# KiCad board Joystick 2-axis with pushbutton breakout_panel.kicad_pcb
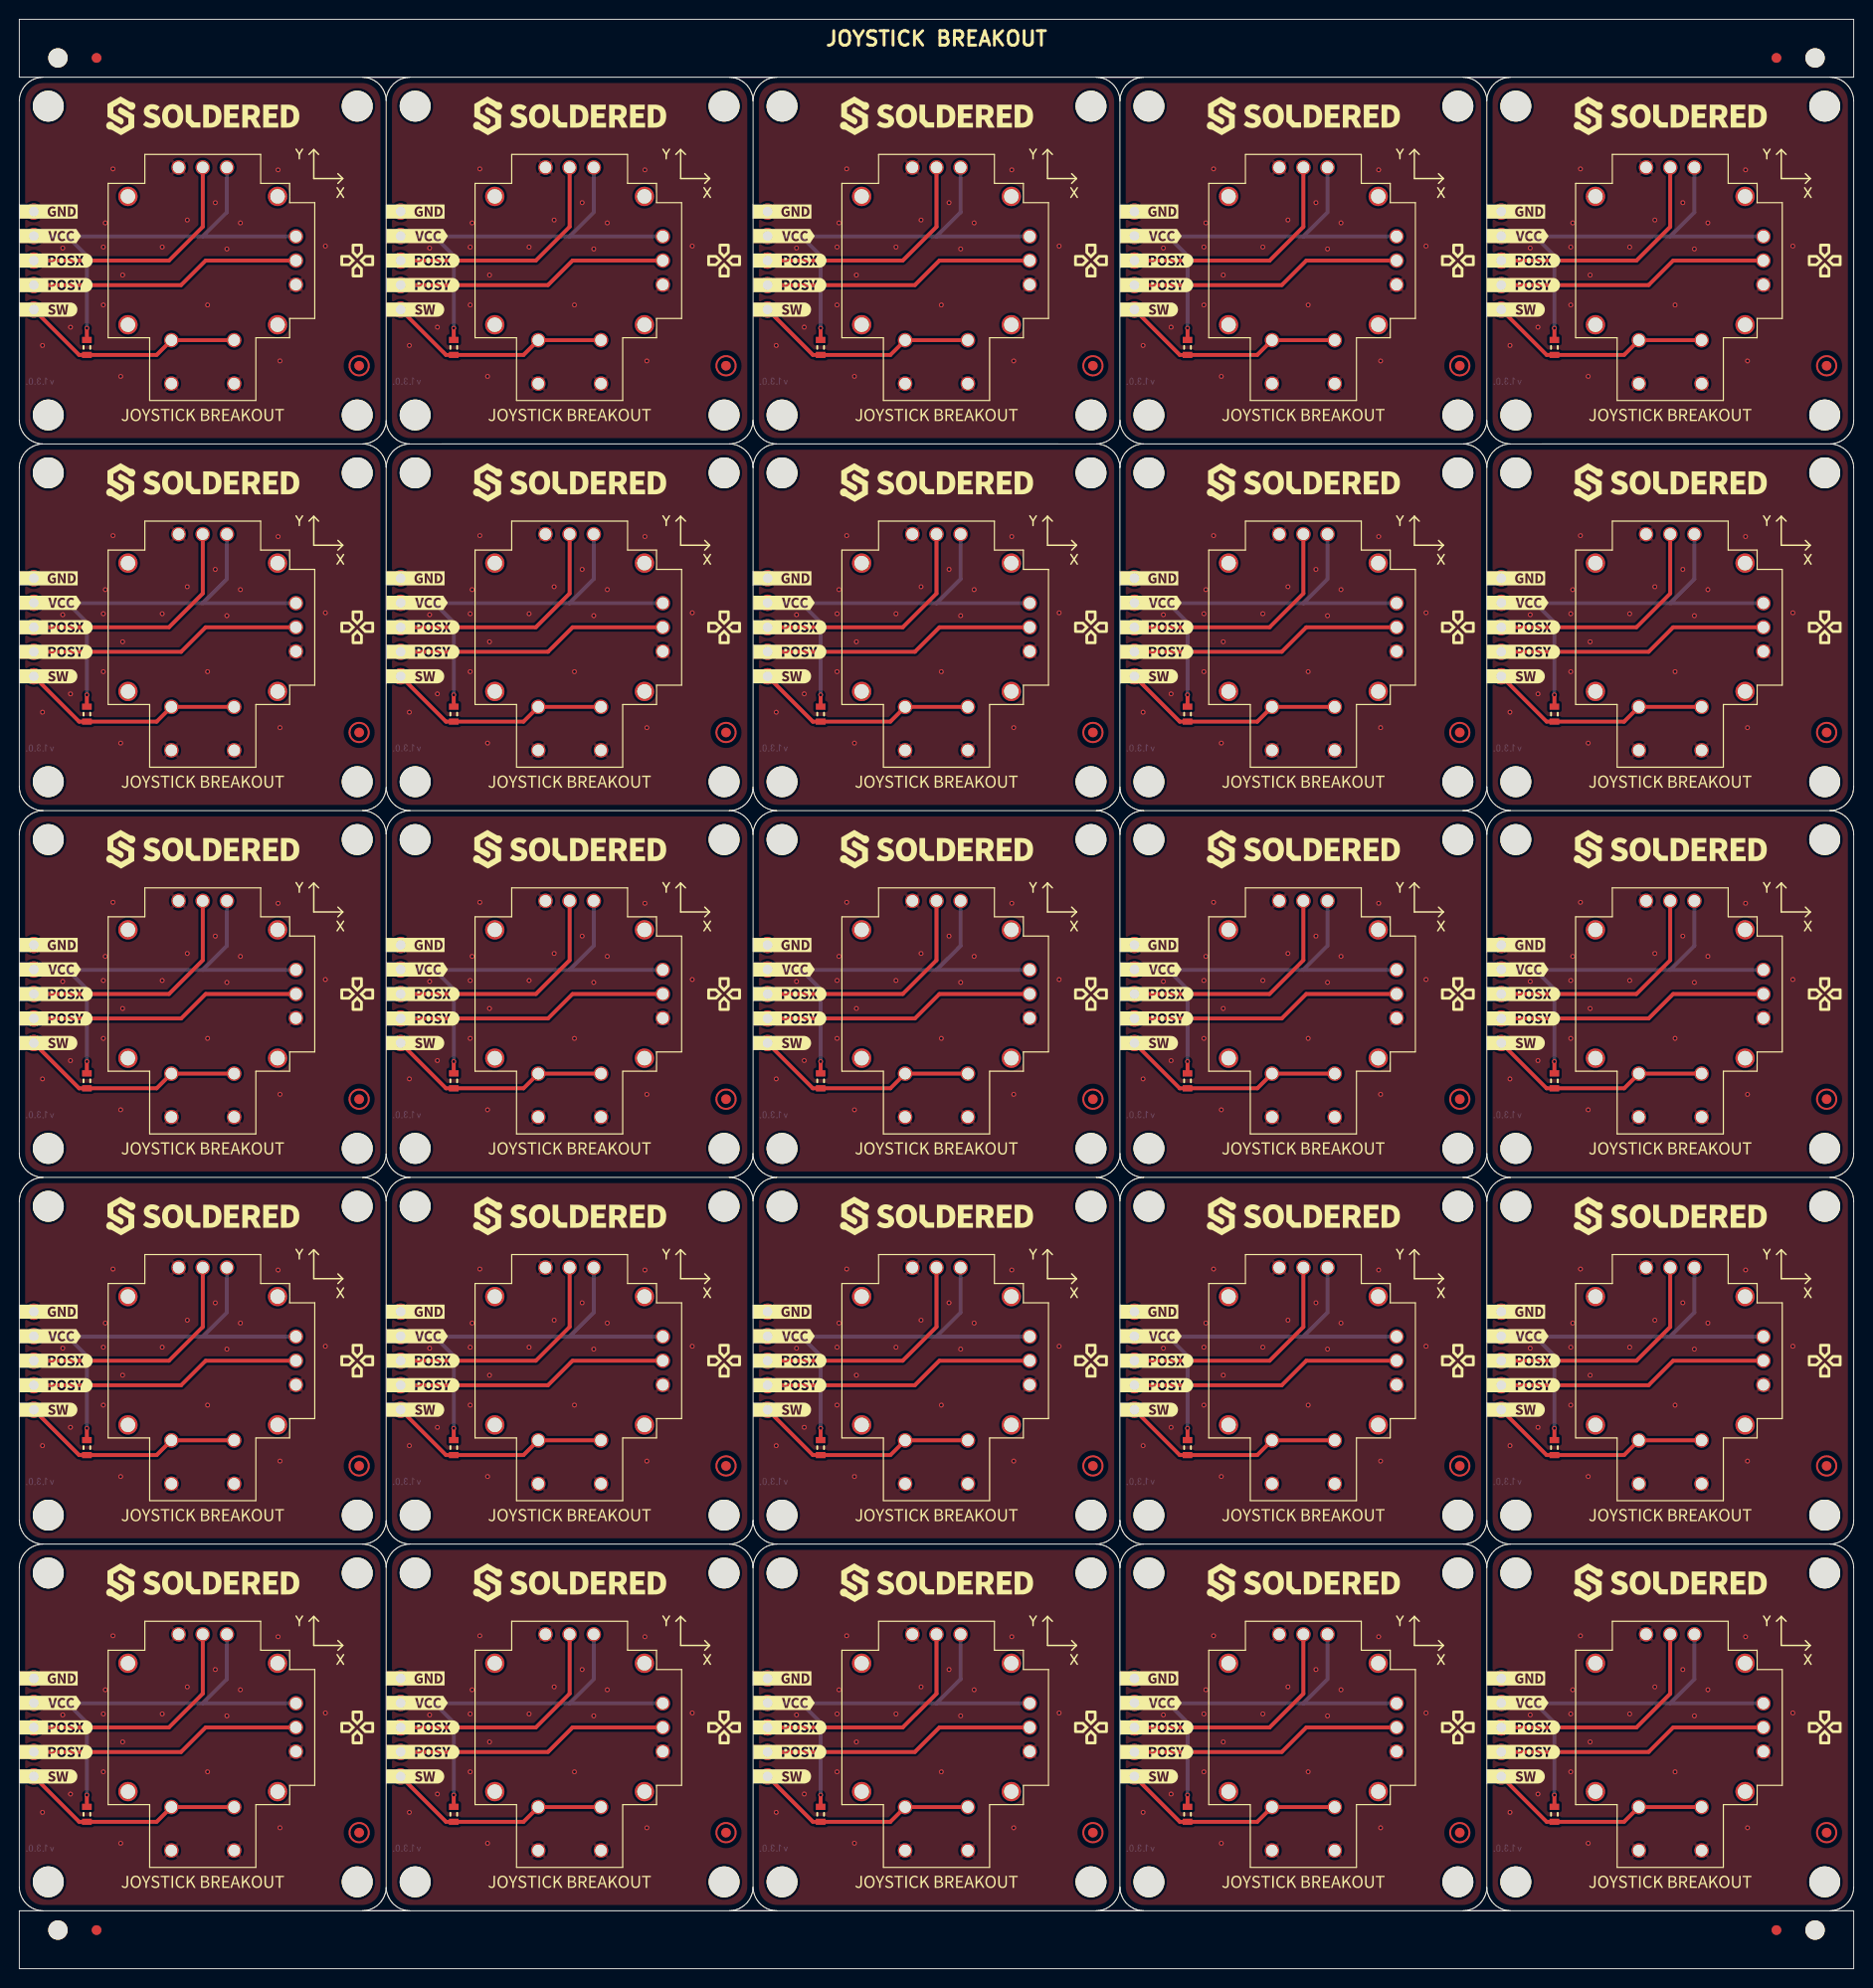
[diagram p0: board, top side]
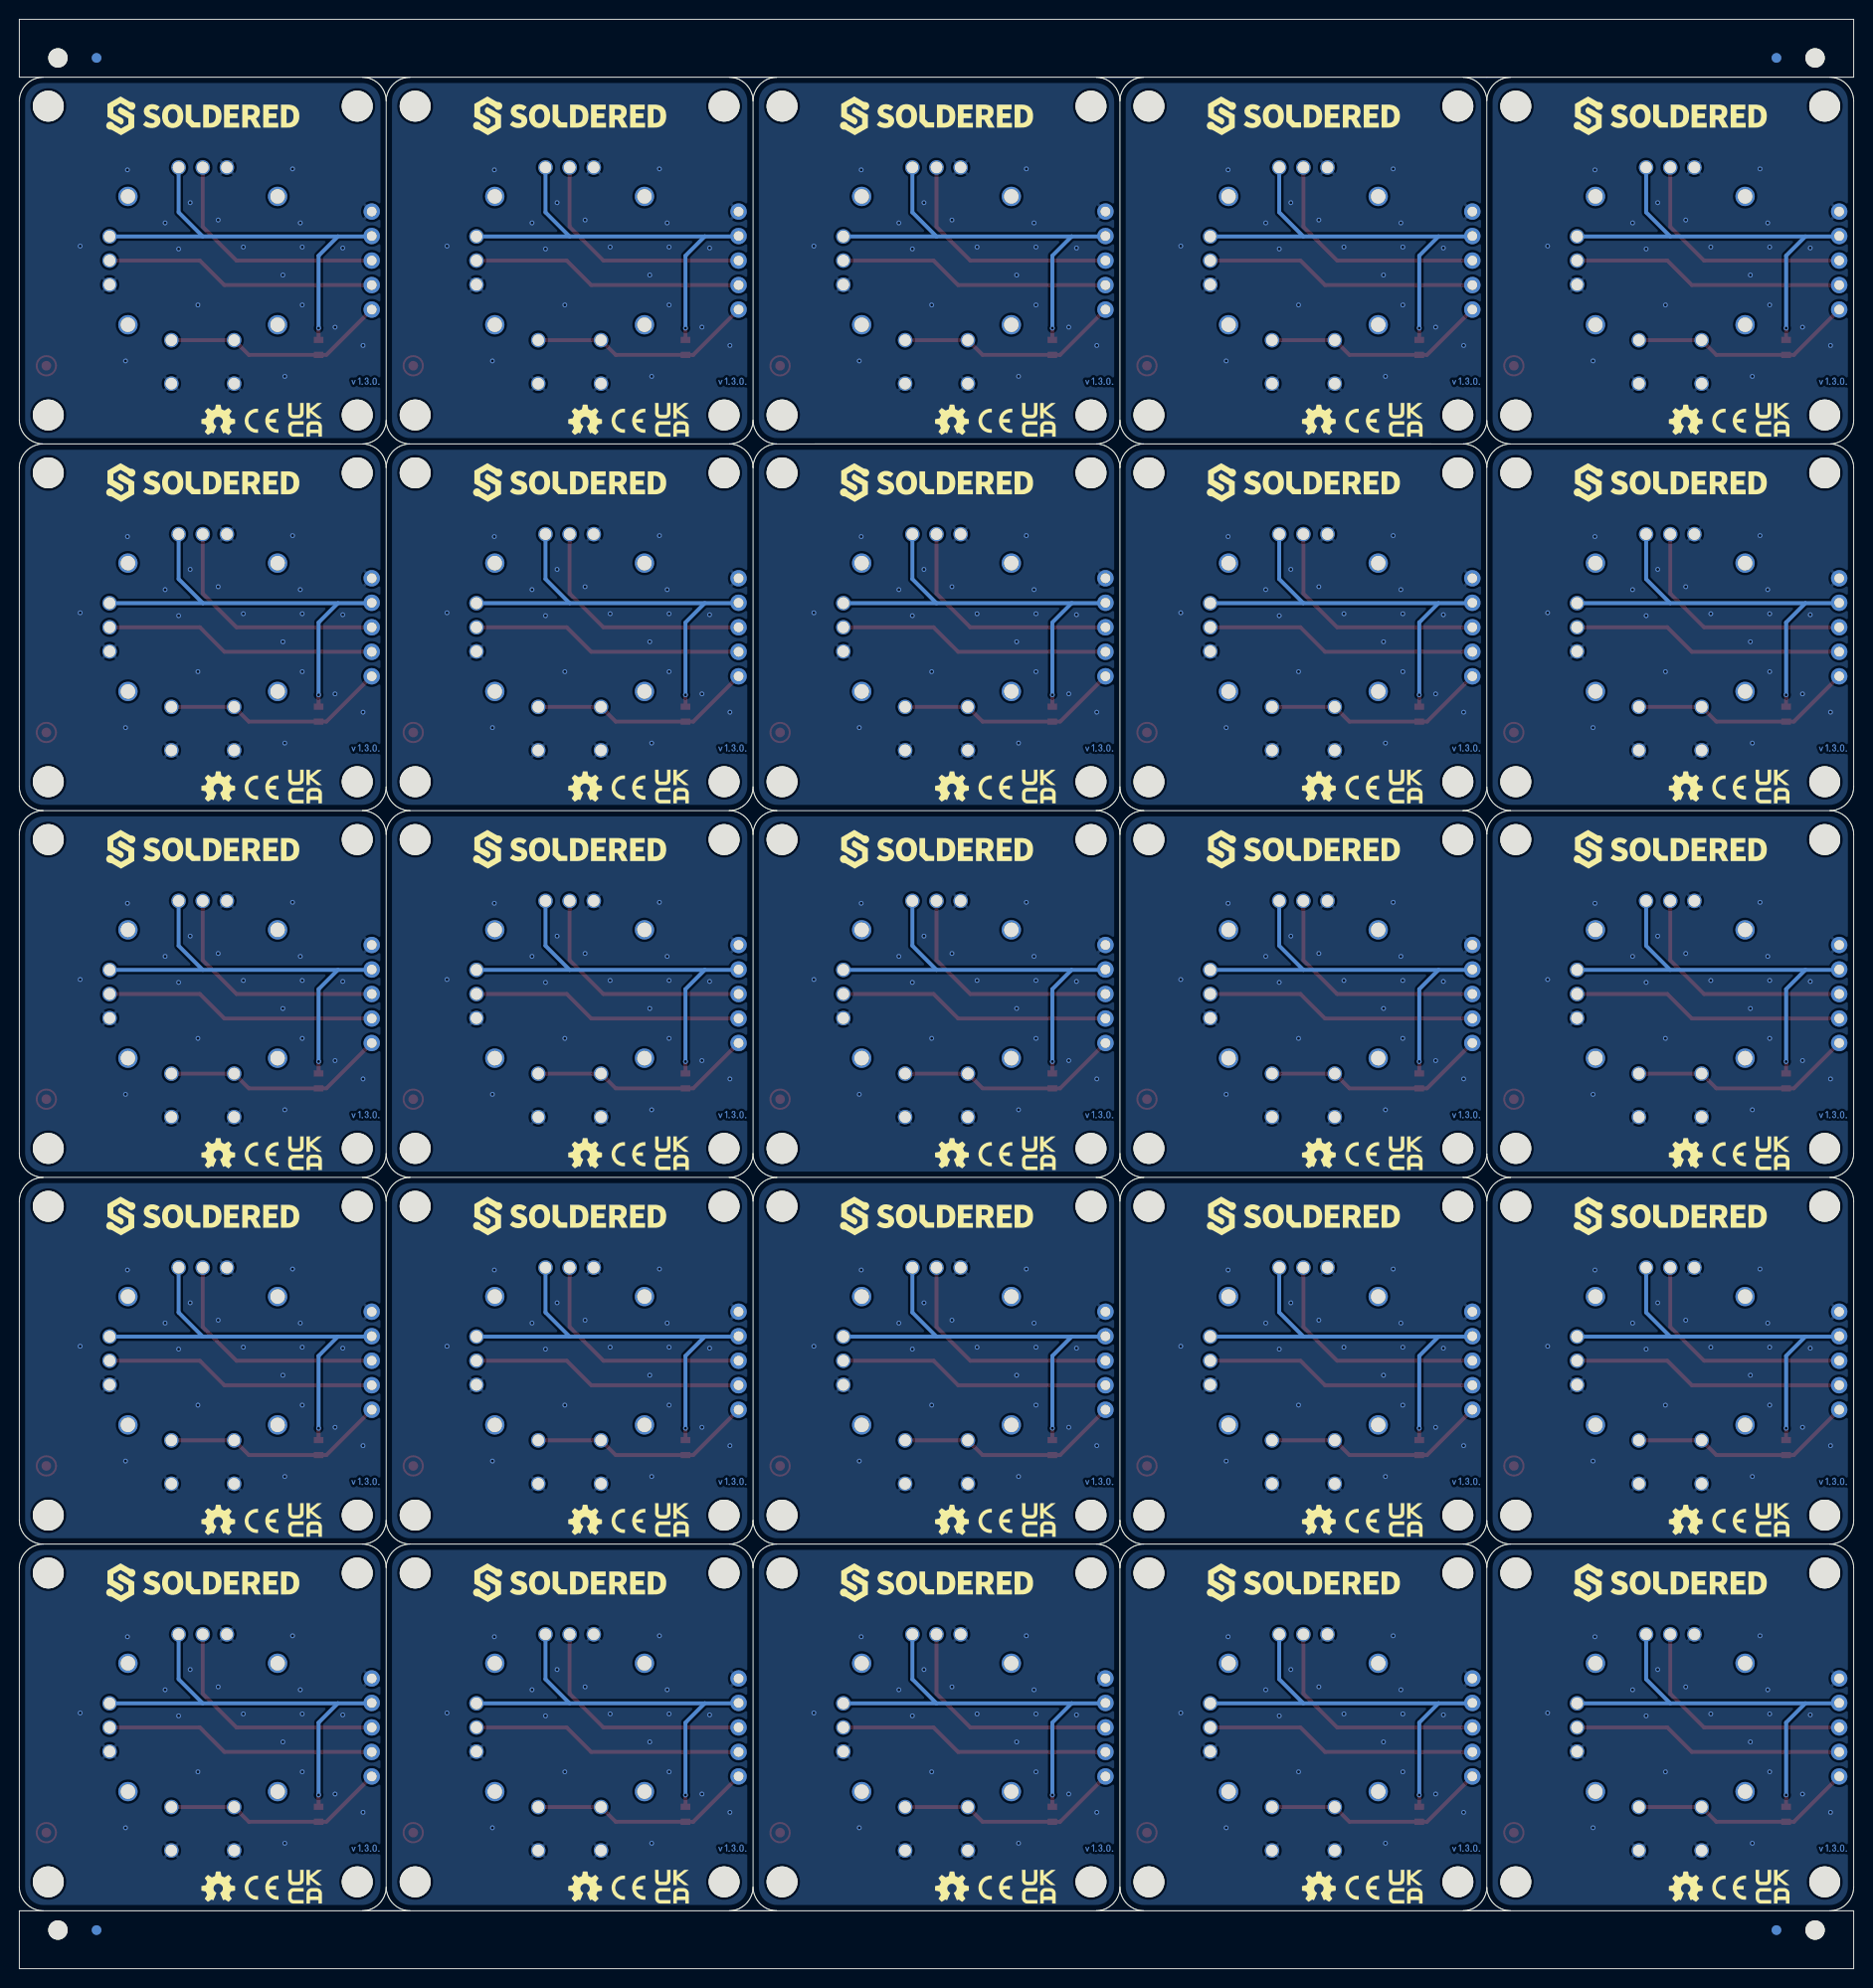
[diagram p1: board, bottom side, seen from below]

Outline 190 x 202 mm; copper layers: Top, Bottom. Coordinates in mm from the lower left corner of the outline.
Stack: Top 0.035mm / dielectric 1.51mm FR4 er 4.5 / Bottom 0.035mm

## Placement (name value [footprint] x y rotation side)
FD1  FIDUCIAL  [FIDUCIAL_23]  35.2 166.1 0 top
FD1#2  FIDUCIAL  [FIDUCIAL_23]  35.2 14.1 0 top
FD1#3  FIDUCIAL  [FIDUCIAL_23]  149.2 52.1 0 top
FD1#4  FIDUCIAL  [FIDUCIAL_23]  73.2 14.1 0 top
FD1#5  FIDUCIAL  [FIDUCIAL_23]  111.2 90.1 0 top
FD1#6  FIDUCIAL  [FIDUCIAL_23]  111.2 166.1 0 top
FD1#7  FIDUCIAL  [FIDUCIAL_23]  187.2 128.1 0 top
FD1#8  FIDUCIAL  [FIDUCIAL_23]  35.2 128.1 0 top
FD1#9  FIDUCIAL  [FIDUCIAL_23]  111.2 128.1 0 top
FD1#10  FIDUCIAL  [FIDUCIAL_23]  73.2 128.1 0 top
FD1#11  FIDUCIAL  [FIDUCIAL_23]  149.2 90.1 0 top
FD1#12  FIDUCIAL  [FIDUCIAL_23]  187.2 52.1 0 top
FD1#13  FIDUCIAL  [FIDUCIAL_23]  149.2 128.1 0 top
FD1#14  FIDUCIAL  [FIDUCIAL_23]  111.2 52.1 0 top
FD1#15  FIDUCIAL  [FIDUCIAL_23]  187.2 166.1 0 top
FD1#16  FIDUCIAL  [FIDUCIAL_23]  149.2 14.1 0 top
FD1#17  FIDUCIAL  [FIDUCIAL_23]  187.2 14.1 0 top
FD1#18  FIDUCIAL  [FIDUCIAL_23]  73.2 166.1 0 top
FD1#19  FIDUCIAL  [FIDUCIAL_23]  73.2 90.1 0 top
FD1#20  FIDUCIAL  [FIDUCIAL_23]  73.2 52.1 0 top
FD1#21  FIDUCIAL  [FIDUCIAL_23]  111.2 14.1 0 top
FD1#22  FIDUCIAL  [FIDUCIAL_23]  35.2 90.1 0 top
FD1#23  FIDUCIAL  [FIDUCIAL_23]  35.2 52.1 0 top
FD1#24  FIDUCIAL  [FIDUCIAL_23]  149.2 166.1 0 top
FD1#25  FIDUCIAL  [FIDUCIAL_23]  187.2 90.1 0 top
G***  LOGO  [Symbol-Front-Joystick]  149 177 0 top
G***#2  LOGO  [Logo-Back-OSH-3.5mm]  169.4 8.5 0 top
G***#3  LOGO  [Symbol-Front-Joystick]  35 63 0 top
G***#4  LOGO  [Logo-Back-OSH-3.5mm]  93.4 84.5 0 top
G***#5  LOGO  [Logo-Back-OSH-3.5mm]  169.4 122.5 0 top
G***#6  LOGO  [Symbol-Front-Joystick]  111 101 0 top
G***#7  LOGO  [Symbol-Front-Joystick]  149 63 0 top
G***#8  LOGO  [Logo-Back-OSH-3.5mm]  93.4 8.5 0 top
G***#9  LOGO  [Symbol-Front-Joystick]  35 139 0 top
G***#10  LOGO  [Logo-Back-OSH-3.5mm]  55.4 8.5 0 top
G***#11  LOGO  [Symbol-Front-Joystick]  187 63 0 top
G***#12  LOGO  [Symbol-Front-Joystick]  111 63 0 top
G***#13  LOGO  [Symbol-Front-Joystick]  149 101 0 top
G***#14  LOGO  [Symbol-Front-Joystick]  73 25 0 top
G***#15  LOGO  [Symbol-Front-Joystick]  35 177 0 top
G***#16  LOGO  [Logo-Back-OSH-3.5mm]  17.4 46.5 0 top
G***#17  LOGO  [Logo-Back-OSH-3.5mm]  131.4 84.5 0 top
G***#18  LOGO  [Symbol-Front-Joystick]  187 101 0 top
G***#19  LOGO  [Logo-Back-OSH-3.5mm]  93.4 160.5 0 top
G***#20  LOGO  [Symbol-Front-Joystick]  73 177 0 top
G***#21  LOGO  [Symbol-Front-Joystick]  149 25 0 top
G***#22  LOGO  [Symbol-Front-Joystick]  149 139 0 top
G***#23  LOGO  [Logo-Back-OSH-3.5mm]  55.4 122.5 0 top
G***#24  LOGO  [Symbol-Front-Joystick]  187 139 0 top
G***#25  LOGO  [Logo-Back-OSH-3.5mm]  55.4 46.5 0 top
G***#26  LOGO  [Logo-Back-OSH-3.5mm]  17.4 84.5 0 top
G***#27  LOGO  [Logo-Back-OSH-3.5mm]  55.4 160.5 0 top
G***#28  LOGO  [Symbol-Front-Joystick]  73 139 0 top
G***#29  LOGO  [Logo-Back-OSH-3.5mm]  93.4 122.5 0 top
G***#30  LOGO  [Logo-Back-OSH-3.5mm]  169.4 160.5 0 top
G***#31  LOGO  [Logo-Back-OSH-3.5mm]  17.4 122.5 0 top
G***#32  LOGO  [Logo-Back-OSH-3.5mm]  17.4 8.5 0 top
G***#33  LOGO  [Symbol-Front-Joystick]  73 101 0 top
G***#34  LOGO  [Logo-Back-OSH-3.5mm]  131.4 160.5 0 top
G***#35  LOGO  [Symbol-Front-Joystick]  111 139 0 top
G***#36  LOGO  [Logo-Back-OSH-3.5mm]  131.4 8.5 0 top
G***#37  LOGO  [Logo-Back-OSH-3.5mm]  17.4 160.5 0 top
G***#38  LOGO  [Logo-Back-OSH-3.5mm]  131.4 46.5 0 top
G***#39  LOGO  [Symbol-Front-Joystick]  187 177 0 top
G***#40  LOGO  [Logo-Back-OSH-3.5mm]  169.4 46.5 0 top
G***#41  LOGO  [Symbol-Front-Joystick]  35 25 0 top
G***#42  LOGO  [Logo-Back-OSH-3.5mm]  169.4 84.5 0 top
G***#43  LOGO  [Logo-Back-OSH-3.5mm]  93.4 46.5 0 top
G***#44  LOGO  [Logo-Back-OSH-3.5mm]  55.4 84.5 0 top
G***#45  LOGO  [Symbol-Front-Joystick]  73 63 0 top
G***#46  LOGO  [Symbol-Front-Joystick]  35 101 0 top
G***#47  LOGO  [Logo-Back-OSH-3.5mm]  131.4 122.5 0 top
G***#48  LOGO  [Symbol-Front-Joystick]  111 25 0 top
G***#49  LOGO  [Symbol-Front-Joystick]  187 25 0 top
G***#50  LOGO  [Symbol-Front-Joystick]  111 177 0 top
H1  -  [HOLE_3.2mm]  117 117 0 top
H1#2  -  [HOLE_3.2mm]  117 155 0 top
H1#3  -  [HOLE_3.2mm]  41 193 0 top
H1#4  -  [HOLE_3.2mm]  155 41 0 top
H1#5  -  [HOLE_3.2mm]  3 41 0 top
H1#6  -  [HOLE_3.2mm]  155 79 0 top
H1#7  -  [HOLE_3.2mm]  117 41 0 top
H1#8  -  [HOLE_3.2mm]  155 193 0 top
H1#9  -  [HOLE_3.2mm]  3 155 0 top
H1#10  -  [HOLE_3.2mm]  155 155 0 top
H1#11  -  [HOLE_3.2mm]  79 117 0 top
H1#12  -  [HOLE_3.2mm]  155 117 0 top
H1#13  -  [HOLE_3.2mm]  79 155 0 top
H1#14  -  [HOLE_3.2mm]  3 193 0 top
H1#15  -  [HOLE_3.2mm]  3 79 0 top
H1#16  -  [HOLE_3.2mm]  79 41 0 top
H1#17  -  [HOLE_3.2mm]  117 193 0 top
H1#18  -  [HOLE_3.2mm]  79 193 0 top
H1#19  -  [HOLE_3.2mm]  41 117 0 top
H1#20  -  [HOLE_3.2mm]  41 79 0 top
H1#21  -  [HOLE_3.2mm]  117 79 0 top
H1#22  -  [HOLE_3.2mm]  79 79 0 top
H1#23  -  [HOLE_3.2mm]  41 155 0 top
H1#24  -  [HOLE_3.2mm]  3 117 0 top
H1#25  -  [HOLE_3.2mm]  41 41 0 top
H2  -  [HOLE_3.2mm]  35 155 0 top
H2#2  -  [HOLE_3.2mm]  149 155 0 top
H2#3  -  [HOLE_3.2mm]  35 117 0 top
H2#4  -  [HOLE_3.2mm]  35 193 0 top
H2#5  -  [HOLE_3.2mm]  111 193 0 top
H2#6  -  [HOLE_3.2mm]  149 41 0 top
H2#7  -  [HOLE_3.2mm]  111 41 0 top
H2#8  -  [HOLE_3.2mm]  111 117 0 top
H2#9  -  [HOLE_3.2mm]  35 41 0 top
H2#10  -  [HOLE_3.2mm]  111 155 0 top
H2#11  -  [HOLE_3.2mm]  149 117 0 top
H2#12  -  [HOLE_3.2mm]  35 79 0 top
H2#13  -  [HOLE_3.2mm]  187 117 0 top
H2#14  -  [HOLE_3.2mm]  149 79 0 top
H2#15  -  [HOLE_3.2mm]  73 79 0 top
H2#16  -  [HOLE_3.2mm]  111 79 0 top
H2#17  -  [HOLE_3.2mm]  187 155 0 top
H2#18  -  [HOLE_3.2mm]  73 41 0 top
H2#19  -  [HOLE_3.2mm]  73 155 0 top
H2#20  -  [HOLE_3.2mm]  187 79 0 top
H2#21  -  [HOLE_3.2mm]  73 117 0 top
H2#22  -  [HOLE_3.2mm]  187 41 0 top
H2#23  -  [HOLE_3.2mm]  187 193 0 top
H2#24  -  [HOLE_3.2mm]  149 193 0 top
H2#25  -  [HOLE_3.2mm]  73 193 0 top
H3  -  [HOLE_3.2mm]  111 47 0 top
H3#2  -  [HOLE_3.2mm]  187 161 0 top
H3#3  -  [HOLE_3.2mm]  35 85 0 top
H3#4  -  [HOLE_3.2mm]  149 85 0 top
H3#5  -  [HOLE_3.2mm]  187 123 0 top
H3#6  -  [HOLE_3.2mm]  73 85 0 top
H3#7  -  [HOLE_3.2mm]  187 85 0 top
H3#8  -  [HOLE_3.2mm]  73 123 0 top
H3#9  -  [HOLE_3.2mm]  149 9 0 top
H3#10  -  [HOLE_3.2mm]  111 9 0 top
H3#11  -  [HOLE_3.2mm]  111 85 0 top
H3#12  -  [HOLE_3.2mm]  35 9 0 top
H3#13  -  [HOLE_3.2mm]  149 123 0 top
H3#14  -  [HOLE_3.2mm]  73 161 0 top
H3#15  -  [HOLE_3.2mm]  35 123 0 top
H3#16  -  [HOLE_3.2mm]  35 161 0 top
H3#17  -  [HOLE_3.2mm]  73 47 0 top
H3#18  -  [HOLE_3.2mm]  187 47 0 top
H3#19  -  [HOLE_3.2mm]  35 47 0 top
H3#20  -  [HOLE_3.2mm]  187 9 0 top
H3#21  -  [HOLE_3.2mm]  111 123 0 top
H3#22  -  [HOLE_3.2mm]  73 9 0 top
H3#23  -  [HOLE_3.2mm]  149 47 0 top
H3#24  -  [HOLE_3.2mm]  149 161 0 top
H3#25  -  [HOLE_3.2mm]  111 161 0 top
H4  -  [HOLE_3.2mm]  155 123 180 bottom
H4#2  -  [HOLE_3.2mm]  3 161 180 bottom
H4#3  -  [HOLE_3.2mm]  155 85 180 bottom
H4#4  -  [HOLE_3.2mm]  155 9 180 bottom
H4#5  -  [HOLE_3.2mm]  155 47 180 bottom
H4#6  -  [HOLE_3.2mm]  41 47 180 bottom
H4#7  -  [HOLE_3.2mm]  41 161 180 bottom
H4#8  -  [HOLE_3.2mm]  117 161 180 bottom
H4#9  -  [HOLE_3.2mm]  41 9 180 bottom
H4#10  -  [HOLE_3.2mm]  3 9 180 bottom
H4#11  -  [HOLE_3.2mm]  79 123 180 bottom
H4#12  -  [HOLE_3.2mm]  117 85 180 bottom
H4#13  -  [HOLE_3.2mm]  3 123 180 bottom
H4#14  -  [HOLE_3.2mm]  79 47 180 bottom
H4#15  -  [HOLE_3.2mm]  3 47 180 bottom
H4#16  -  [HOLE_3.2mm]  117 123 180 bottom
H4#17  -  [HOLE_3.2mm]  117 9 180 bottom
H4#18  -  [HOLE_3.2mm]  41 123 180 bottom
H4#19  -  [HOLE_3.2mm]  41 85 180 bottom
H4#20  -  [HOLE_3.2mm]  117 47 180 bottom
H4#21  -  [HOLE_3.2mm]  3 85 180 bottom
H4#22  -  [HOLE_3.2mm]  79 161 180 bottom
H4#23  -  [HOLE_3.2mm]  155 161 180 bottom
H4#24  -  [HOLE_3.2mm]  79 85 180 bottom
H4#25  -  [HOLE_3.2mm]  79 9 180 bottom
K1  -  [Joystick GGL002]  19 101 90 top
K1#2  -  [Joystick GGL002]  57 101 90 top
K1#3  -  [Joystick GGL002]  171 101 90 top
K1#4  -  [Joystick GGL002]  171 63 90 top
K1#5  -  [Joystick GGL002]  171 139 90 top
K1#6  -  [Joystick GGL002]  133 101 90 top
K1#7  -  [Joystick GGL002]  171 25 90 top
K1#8  -  [Joystick GGL002]  95 177 90 top
K1#9  -  [Joystick GGL002]  57 139 90 top
K1#10  -  [Joystick GGL002]  133 63 90 top
K1#11  -  [Joystick GGL002]  171 177 90 top
K1#12  -  [Joystick GGL002]  19 139 90 top
K1#13  -  [Joystick GGL002]  57 177 90 top
K1#14  -  [Joystick GGL002]  133 25 90 top
K1#15  -  [Joystick GGL002]  95 63 90 top
K1#16  -  [Joystick GGL002]  133 177 90 top
K1#17  -  [Joystick GGL002]  57 25 90 top
K1#18  -  [Joystick GGL002]  19 177 90 top
K1#19  -  [Joystick GGL002]  95 139 90 top
K1#20  -  [Joystick GGL002]  57 63 90 top
K1#21  -  [Joystick GGL002]  133 139 90 top
K1#22  -  [Joystick GGL002]  95 25 90 top
K1#23  -  [Joystick GGL002]  19 63 90 top
K1#24  -  [Joystick GGL002]  19 25 90 top
K1#25  -  [Joystick GGL002]  95 101 90 top
K2  -  [HEADER_MALE_5X1]  77.5 139 90 bottom
K2#2  -  [HEADER_MALE_5X1]  1.5 177 90 bottom
K2#3  -  [HEADER_MALE_5X1]  153.5 139 90 bottom
K2#4  -  [HEADER_MALE_5X1]  115.5 25 90 bottom
K2#5  -  [HEADER_MALE_5X1]  115.5 101 90 bottom
K2#6  -  [HEADER_MALE_5X1]  39.5 25 90 bottom
K2#7  -  [HEADER_MALE_5X1]  39.5 177 90 bottom
K2#8  -  [HEADER_MALE_5X1]  1.5 101 90 bottom
K2#9  -  [HEADER_MALE_5X1]  39.5 101 90 bottom
K2#10  -  [HEADER_MALE_5X1]  115.5 139 90 bottom
K2#11  -  [HEADER_MALE_5X1]  115.5 177 90 bottom
K2#12  -  [HEADER_MALE_5X1]  77.5 63 90 bottom
K2#13  -  [HEADER_MALE_5X1]  77.5 177 90 bottom
K2#14  -  [HEADER_MALE_5X1]  153.5 101 90 bottom
K2#15  -  [HEADER_MALE_5X1]  153.5 177 90 bottom
K2#16  -  [HEADER_MALE_5X1]  1.5 139 90 bottom
K2#17  -  [HEADER_MALE_5X1]  39.5 63 90 bottom
K2#18  -  [HEADER_MALE_5X1]  1.5 63 90 bottom
K2#19  -  [HEADER_MALE_5X1]  153.5 63 90 bottom
K2#20  -  [HEADER_MALE_5X1]  77.5 101 90 bottom
K2#21  -  [HEADER_MALE_5X1]  1.5 25 90 bottom
K2#22  -  [HEADER_MALE_5X1]  77.5 25 90 bottom
K2#23  -  [HEADER_MALE_5X1]  115.5 63 90 bottom
K2#24  -  [HEADER_MALE_5X1]  39.5 139 90 bottom
K2#25  -  [HEADER_MALE_5X1]  153.5 25 90 bottom
kibuzzard-668288C6  G***  [kibuzzard-668288C6]  171 123 0 top
kibuzzard-668288C6#2  G***  [kibuzzard-668288C6]  19 47 0 top
kibuzzard-668288C6#3  G***  [kibuzzard-668288C6]  19 85 0 top
kibuzzard-668288C6#4  G***  [kibuzzard-668288C6]  19 161 0 top
kibuzzard-668288C6#5  G***  [kibuzzard-668288C6]  171 47 0 top
kibuzzard-668288C6#6  G***  [kibuzzard-668288C6]  133 123 0 top
kibuzzard-668288C6#7  G***  [kibuzzard-668288C6]  133 161 0 top
kibuzzard-668288C6#8  G***  [kibuzzard-668288C6]  95 85 0 top
kibuzzard-668288C6#9  G***  [kibuzzard-668288C6]  57 161 0 top
kibuzzard-668288C6#10  G***  [kibuzzard-668288C6]  57 85 0 top
kibuzzard-668288C6#11  G***  [kibuzzard-668288C6]  95 47 0 top
kibuzzard-668288C6#12  G***  [kibuzzard-668288C6]  57 47 0 top
kibuzzard-668288C6#13  G***  [kibuzzard-668288C6]  95 123 0 top
kibuzzard-668288C6#14  G***  [kibuzzard-668288C6]  133 9 0 top
kibuzzard-668288C6#15  G***  [kibuzzard-668288C6]  57 123 0 top
kibuzzard-668288C6#16  G***  [kibuzzard-668288C6]  171 85 0 top
kibuzzard-668288C6#17  G***  [kibuzzard-668288C6]  133 85 0 top
kibuzzard-668288C6#18  G***  [kibuzzard-668288C6]  19 9 0 top
kibuzzard-668288C6#19  G***  [kibuzzard-668288C6]  133 47 0 top
kibuzzard-668288C6#20  G***  [kibuzzard-668288C6]  19 123 0 top
kibuzzard-668288C6#21  G***  [kibuzzard-668288C6]  171 9 0 top
kibuzzard-668288C6#22  G***  [kibuzzard-668288C6]  57 9 0 top
kibuzzard-668288C6#23  G***  [kibuzzard-668288C6]  95 9 0 top
kibuzzard-668288C6#24  G***  [kibuzzard-668288C6]  171 161 0 top
kibuzzard-668288C6#25  G***  [kibuzzard-668288C6]  95 161 0 top
kibuzzard-668289A6  G***  [kibuzzard-668289A6]  3 57.92 0 top
kibuzzard-668289A6#2  G***  [kibuzzard-668289A6]  79 19.92 0 top
kibuzzard-668289A6#3  G***  [kibuzzard-668289A6]  41 133.92 0 top
kibuzzard-668289A6#4  G***  [kibuzzard-668289A6]  155 95.92 0 top
kibuzzard-668289A6#5  G***  [kibuzzard-668289A6]  117 95.92 0 top
kibuzzard-668289A6#6  G***  [kibuzzard-668289A6]  155 19.92 0 top
kibuzzard-668289A6#7  G***  [kibuzzard-668289A6]  155 57.92 0 top
kibuzzard-668289A6#8  G***  [kibuzzard-668289A6]  41 171.92 0 top
kibuzzard-668289A6#9  G***  [kibuzzard-668289A6]  155 171.92 0 top
kibuzzard-668289A6#10  G***  [kibuzzard-668289A6]  117 57.92 0 top
kibuzzard-668289A6#11  G***  [kibuzzard-668289A6]  41 57.92 0 top
kibuzzard-668289A6#12  G***  [kibuzzard-668289A6]  3 19.92 0 top
kibuzzard-668289A6#13  G***  [kibuzzard-668289A6]  117 133.92 0 top
kibuzzard-668289A6#14  G***  [kibuzzard-668289A6]  41 19.92 0 top
kibuzzard-668289A6#15  G***  [kibuzzard-668289A6]  3 171.92 0 top
kibuzzard-668289A6#16  G***  [kibuzzard-668289A6]  79 57.92 0 top
kibuzzard-668289A6#17  G***  [kibuzzard-668289A6]  117 19.92 0 top
kibuzzard-668289A6#18  G***  [kibuzzard-668289A6]  3 133.92 0 top
kibuzzard-668289A6#19  G***  [kibuzzard-668289A6]  155 133.92 0 top
kibuzzard-668289A6#20  G***  [kibuzzard-668289A6]  117 171.92 0 top
kibuzzard-668289A6#21  G***  [kibuzzard-668289A6]  41 95.92 0 top
kibuzzard-668289A6#22  G***  [kibuzzard-668289A6]  79 171.92 0 top
kibuzzard-668289A6#23  G***  [kibuzzard-668289A6]  79 133.92 0 top
kibuzzard-668289A6#24  G***  [kibuzzard-668289A6]  3 95.92 0 top
kibuzzard-668289A6#25  G***  [kibuzzard-668289A6]  79 95.92 0 top
kibuzzard-6682892F  G***  [kibuzzard-6682892F]  117 106.08 0 top
kibuzzard-6682892F#2  G***  [kibuzzard-6682892F]  79 144.08 0 top
kibuzzard-6682892F#3  G***  [kibuzzard-6682892F]  117 30.08 0 top
kibuzzard-6682892F#4  G***  [kibuzzard-6682892F]  41 182.08 0 top
kibuzzard-6682892F#5  G***  [kibuzzard-6682892F]  79 106.08 0 top
kibuzzard-6682892F#6  G***  [kibuzzard-6682892F]  155 30.08 0 top
kibuzzard-6682892F#7  G***  [kibuzzard-6682892F]  41 30.08 0 top
kibuzzard-6682892F#8  G***  [kibuzzard-6682892F]  117 68.08 0 top
kibuzzard-6682892F#9  G***  [kibuzzard-6682892F]  41 68.08 0 top
kibuzzard-6682892F#10  G***  [kibuzzard-6682892F]  155 68.08 0 top
kibuzzard-6682892F#11  G***  [kibuzzard-6682892F]  41 144.08 0 top
kibuzzard-6682892F#12  G***  [kibuzzard-6682892F]  3 144.08 0 top
kibuzzard-6682892F#13  G***  [kibuzzard-6682892F]  117 144.08 0 top
kibuzzard-6682892F#14  G***  [kibuzzard-6682892F]  41 106.08 0 top
kibuzzard-6682892F#15  G***  [kibuzzard-6682892F]  3 182.08 0 top
kibuzzard-6682892F#16  G***  [kibuzzard-6682892F]  155 106.08 0 top
kibuzzard-6682892F#17  G***  [kibuzzard-6682892F]  3 68.08 0 top
kibuzzard-6682892F#18  G***  [kibuzzard-6682892F]  155 182.08 0 top
kibuzzard-6682892F#19  G***  [kibuzzard-6682892F]  3 30.08 0 top
kibuzzard-6682892F#20  G***  [kibuzzard-6682892F]  117 182.08 0 top
kibuzzard-6682892F#21  G***  [kibuzzard-6682892F]  155 144.08 0 top
kibuzzard-6682892F#22  G***  [kibuzzard-6682892F]  79 68.08 0 top
kibuzzard-6682892F#23  G***  [kibuzzard-6682892F]  79 30.08 0 top
kibuzzard-6682892F#24  G***  [kibuzzard-6682892F]  3 106.08 0 top
kibuzzard-6682892F#25  G***  [kibuzzard-6682892F]  79 182.08 0 top
kibuzzard-66828953  G***  [kibuzzard-66828953]  117.2 65.54 0 top
kibuzzard-66828953#2  G***  [kibuzzard-66828953]  79.2 103.54 0 top
kibuzzard-66828953#3  G***  [kibuzzard-66828953]  3.2 65.54 0 top
kibuzzard-66828953#4  G***  [kibuzzard-66828953]  117.2 141.54 0 top
kibuzzard-66828953#5  G***  [kibuzzard-66828953]  117.2 27.54 0 top
kibuzzard-66828953#6  G***  [kibuzzard-66828953]  3.2 141.54 0 top
kibuzzard-66828953#7  G***  [kibuzzard-66828953]  41.2 103.54 0 top
kibuzzard-66828953#8  G***  [kibuzzard-66828953]  79.2 65.54 0 top
kibuzzard-66828953#9  G***  [kibuzzard-66828953]  155.2 65.54 0 top
kibuzzard-66828953#10  G***  [kibuzzard-66828953]  117.2 179.54 0 top
kibuzzard-66828953#11  G***  [kibuzzard-66828953]  79.2 27.54 0 top
kibuzzard-66828953#12  G***  [kibuzzard-66828953]  3.2 103.54 0 top
kibuzzard-66828953#13  G***  [kibuzzard-66828953]  79.2 179.54 0 top
kibuzzard-66828953#14  G***  [kibuzzard-66828953]  117.2 103.54 0 top
kibuzzard-66828953#15  G***  [kibuzzard-66828953]  41.2 141.54 0 top
kibuzzard-66828953#16  G***  [kibuzzard-66828953]  3.2 27.54 0 top
kibuzzard-66828953#17  G***  [kibuzzard-66828953]  155.2 103.54 0 top
kibuzzard-66828953#18  G***  [kibuzzard-66828953]  155.2 27.54 0 top
kibuzzard-66828953#19  G***  [kibuzzard-66828953]  155.2 179.54 0 top
kibuzzard-66828953#20  G***  [kibuzzard-66828953]  79.2 141.54 0 top
kibuzzard-66828953#21  G***  [kibuzzard-66828953]  41.2 65.54 0 top
kibuzzard-66828953#22  G***  [kibuzzard-66828953]  3.2 179.54 0 top
kibuzzard-66828953#23  G***  [kibuzzard-66828953]  41.2 27.54 0 top
kibuzzard-66828953#24  G***  [kibuzzard-66828953]  41.2 179.54 0 top
kibuzzard-66828953#25  G***  [kibuzzard-66828953]  155.2 141.54 0 top
kibuzzard-66828977  G***  [kibuzzard-66828977]  155.8 101 0 top
kibuzzard-66828977#2  G***  [kibuzzard-66828977]  155.8 63 0 top
kibuzzard-66828977#3  G***  [kibuzzard-66828977]  3.8 177 0 top
kibuzzard-66828977#4  G***  [kibuzzard-66828977]  79.8 25 0 top
kibuzzard-66828977#5  G***  [kibuzzard-66828977]  155.8 139 0 top
kibuzzard-66828977#6  G***  [kibuzzard-66828977]  41.8 101 0 top
kibuzzard-66828977#7  G***  [kibuzzard-66828977]  41.8 25 0 top
kibuzzard-66828977#8  G***  [kibuzzard-66828977]  41.8 63 0 top
kibuzzard-66828977#9  G***  [kibuzzard-66828977]  41.8 177 0 top
kibuzzard-66828977#10  G***  [kibuzzard-66828977]  79.8 63 0 top
kibuzzard-66828977#11  G***  [kibuzzard-66828977]  3.8 101 0 top
kibuzzard-66828977#12  G***  [kibuzzard-66828977]  117.8 25 0 top
kibuzzard-66828977#13  G***  [kibuzzard-66828977]  155.8 177 0 top
kibuzzard-66828977#14  G***  [kibuzzard-66828977]  155.8 25 0 top
kibuzzard-66828977#15  G***  [kibuzzard-66828977]  3.8 25 0 top
kibuzzard-66828977#16  G***  [kibuzzard-66828977]  3.8 139 0 top
kibuzzard-66828977#17  G***  [kibuzzard-66828977]  117.8 101 0 top
kibuzzard-66828977#18  G***  [kibuzzard-66828977]  117.8 177 0 top
kibuzzard-66828977#19  G***  [kibuzzard-66828977]  79.8 177 0 top